# Altium PCB M5_CORE2_re.PcbDoc (part 1 of 3) (continued)
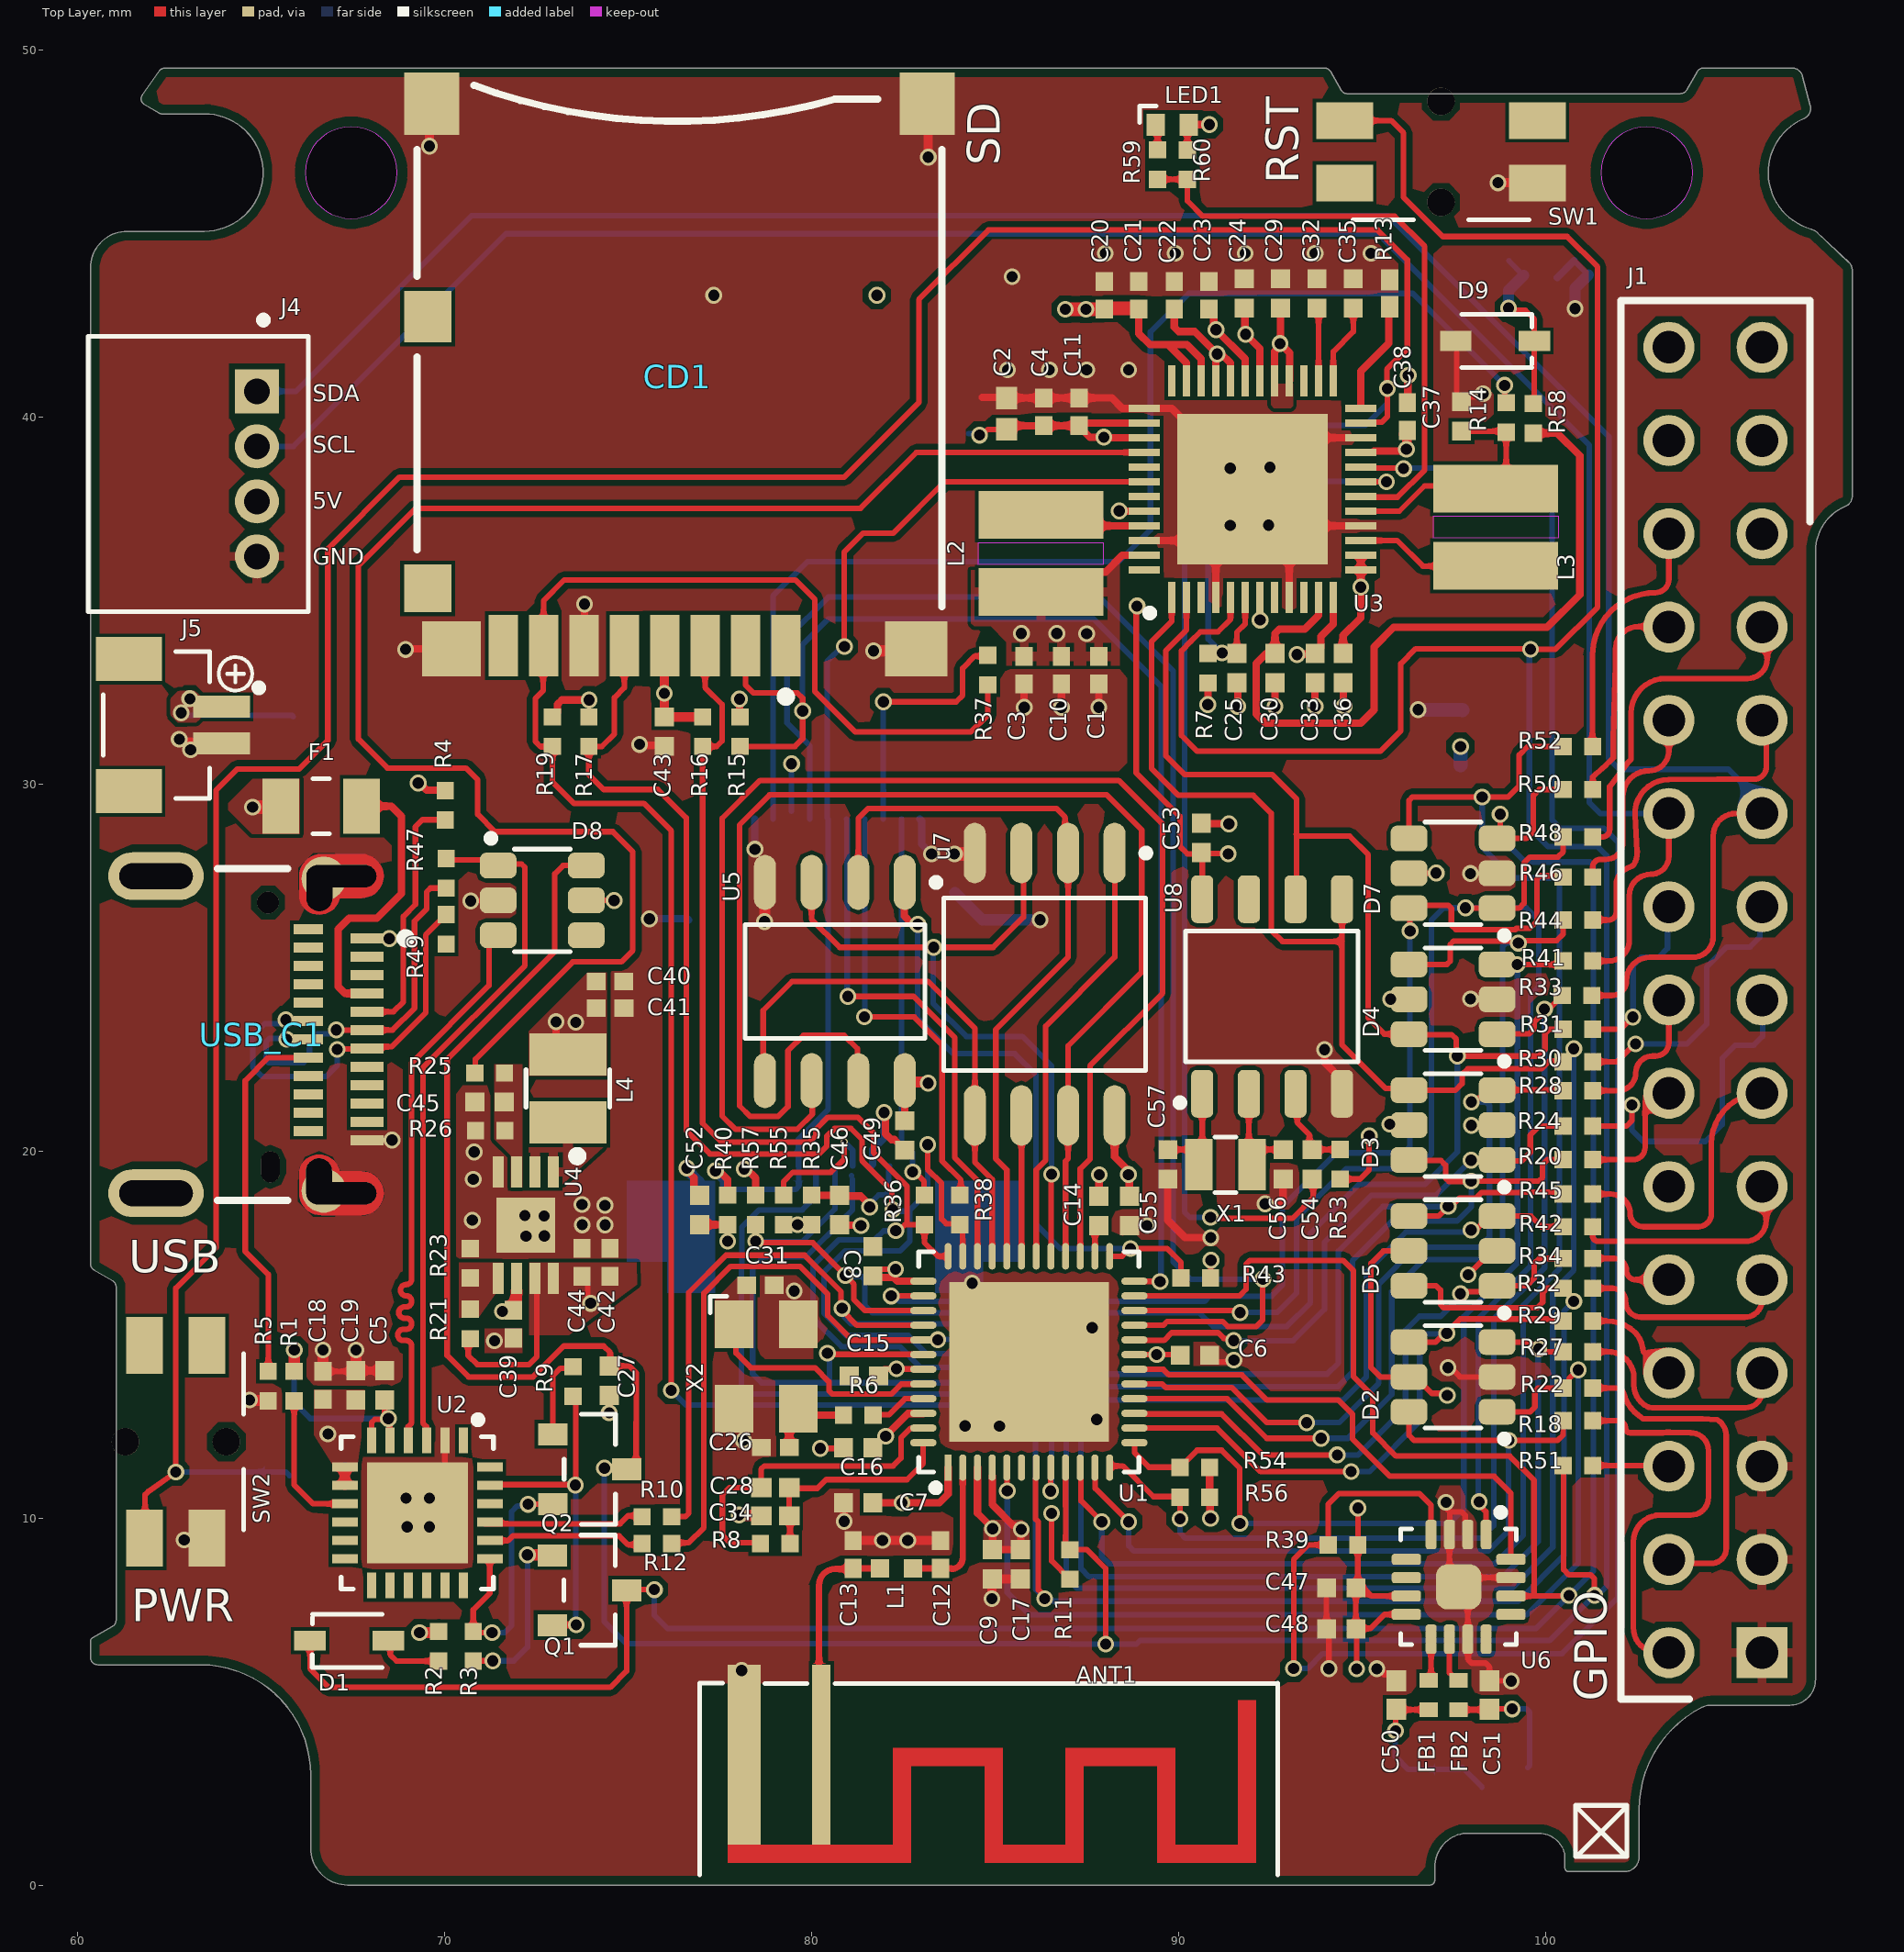
[diagram p0: Top Layer view]
## Design rules (kind name [scope] priority, off if disabled: settings)
BoardOutlineClearance [All] p1: gap=0.254 ignorepadtopadclearanceinfootprint=FALSE
Clearance [All] p1: gap=0.152 ignorepadtopadclearanceinfootprint=TRUE except(0: Arc-Arc Arc-Region Arc-Hole Track-Fill Track-Region Track-Hole SMDPad-Fill SMDPad-Region SMDPad-Hole THPad-Fill THPad-Region THPad-Hole Via-Region Via-Hole Fill-Region Fill-Hole Poly-Region Poly-Hole Region-Region Region-Text Region-Hole Text-Hole; 0.076: Arc-Via Track-Via SMDPad-Via THPad-Via Via-Via; 0.102: SMDPad-Poly Poly-Poly)
ComponentClearance [All] p1: gap=0.127 collisioncheckmode=3 verticalgap=0.127 showdistances=FALSE
DiffPairsRouting [InDifferentialPairClass('All Differential Pairs')] p1: maxlimit=0.152 minlimit=0.152 mostfreqgap=0.152 toplayer_minwidth=0.152 toplayer_maxwidth=0.152 toplayer_prefwidth=0.152 midlayer1_minwidth=0.152 midlayer1_maxwidth=0.152 midlayer1_prefwidth=0.152 midlayer2_minwidth=0.152 midlayer2_maxwidth=0.152 midlayer2_prefwidth=0.152 bottomlayer_minwidth=0.152 bottomlayer_maxwidth=0.152 bottomlayer_prefwidth=0.152 maxuncoupledlength=12.7
HoleToHoleClearance [All] p1: gap=0.152 allowstackedmicrovias=TRUE
MatchedLengths [All] p1: tolerance=12.7 checknetsindiffpair=TRUE checkdiffpairvsdiffpair=FALSE checkxsignals=FALSE checkothers=FALSE usedelayunits=TRUE delaytolerance=15.000000
MinimumSolderMaskSliver [All] p1: minsoldermaskwidth=0
PlaneClearance [All] p1: clearance=0
PlaneConnect [All] p1: planeconnectstyle=Direct reliefexpansion=0.508 reliefentries=4 reliefconductorwidth=0.254 reliefairgap=0.254
PolygonConnect [All] p1: thpad.connectstyle=Relief thpad.reliefconductorwidth=0.254 thpad.reliefentries=4 thpad.polygonreliefangle="90 Angle" thpad.airgapwidth=0.127 smdpad.connectstyle=Direct smdpad.reliefconductorwidth=0.254 smdpad.reliefentries=4 smdpad.polygonreliefangle="90 Angle" smdpad.airgapwidth=0.102 via.connectstyle=Direct via.reliefconductorwidth=0.254 via.reliefentries=4 via.polygonreliefangle="90 Angle" via.airgapwidth=0.127
RoomDefinition M5_CORE2_re [InComponentClass('M5_CORE2_re')] p1: confinementstyle=ConfineOut formatcopy=TRUE lockcomponents=FALSE outline 138.049,0 185.674,0 185.674,53.975 138.049,53.975
RoutingVias [All] p1: holewidth=0.254 width=0.381 viastyle="Through Hole" minholewidth=0.076 minwidth=0.127 maxholewidth=0.762 maxwidth=1.27
SilkToSilkClearance [All] p1: silktosilkclearance=0
SilkToSolderMaskClearance [IsPad] p1: minsilkscreentomaskgap=0 clearancetoexposedcopper=TRUE
SolderMaskExpansion [All] p1: expansion=0 istentingtop=FALSE
Width [All] p1: maxlimit=0.381 minlimit=0.127 preferedwidth=0.152 minimp=50.000000 maximp=50.000000 favimp=50.000000
22 further rules are at their usual default settings.

## Classes and differential pairs
differential pair CP_D: +CP_D_P -CP_D_N
differential pair USB: +USB_P -USB_N

## Components (designator, comment, footprint, x,y, rotation, side; value= is the part's Value field where it differs from the comment)
ANT1 "2.4GHz_PCB-Antenna" 2.4GHZ_PCB-Antenna 77.724,6 r0 top
BT1 "MS621FE-FL11E" SEIK-MS621FE-FL11E-2_V 92.939,31.254 r0 bottom
C1 "226/6.3V" FP-CL05A226MQ5N6J8-IPC_C 87.832,33.095 r90 top value=22uF
C2 "475/6.3V" FP-GRM155-0_1-IPC_B#1 85.319,40.081 r90 top
C3 "226/6.3V" FP-CL05A226MQ5N6J8-IPC_C 85.8,33.095 r90 top value=22uF
C4 "226/6.3V" FP-CL05A226MQ5N6J8-IPC_C 86.335,40.132 r90 top value=22uF
C5 "106/6.3V" FP-GRM155-0_1-IPC_B#2 68.377,13.614 r90 top value=10uF
C6 "104/10V" FP-C0402-BB-MFG 90.453,14.434 r180 top value="0.10 μF"
C7 "105/6.3V" FP-C0402C105K9PACTU-MFG 81.28,10.414 r0 top
C8 "104/10V" FP-C0402-BB-MFG 81.68,16.993 r270 top value="0.10 μF"
C9 "106/6.3V" FP-GRM155-0_2-IPC_B 84.938,8.738 r270 top
C10 "226/6.3V" FP-CL05A226MQ5N6J8-IPC_C 86.816,33.095 r90 top value=22uF
C11 "226/6.3V" FP-CL05A226MQ5N6J8-IPC_C 87.3,40.132 r90 top value=22uF
C12 "RF_C 5.5Pf" FP-GJM155-0_05-IPC_C 83.521,9.003 r90 top
C13 "RF_C 5.5Pf" FP-GJM155-0_05-IPC_C 81.14,9.003 r90 top
C14 "105/6.3V" FP-C0402C105K9PACTU-MFG 87.833,18.364 r270 top
C15 "104/10V" FP-C0402-BB-MFG 81.432,13.868 r0 top value="0.10 μF"
C16 "104/10V" FP-C0402-BB-MFG 81.28,11.913 r0 top value="0.10 μF"
C17 "104/10V" FP-C0402-BB-MFG 85.7,8.738 r90 top value="0.10 μF"
C18 "226/6.3V" FP-CL05A226MQ5N6J8-IPC_C 66.7,13.614 r90 top value=22uF
C19 "104/10V" FP-C0402-BB-MFG 67.589,13.614 r90 top value="0.10 μF"
C20 "226/6.3V" FP-CL05A226MQ5N6J8-IPC_C 87.986,43.307 r90 top value=22uF
C21 "226/6.3V" FP-CL05A226MQ5N6J8-IPC_C 88.925,43.307 r90 top value=22uF
C22 "226/6.3V" FP-CL05A226MQ5N6J8-IPC_C 89.891,43.307 r90 top value=22uF
C23 "226/6.3V" FP-CL05A226MQ5N6J8-IPC_C 90.83,43.307 r90 top value=22uF
C24 "105/6.3V" FP-C0402C105K9PACTU-MFG 91.796,43.358 r270 top
C25 "105/6.3V" FP-C0402C105K9PACTU-MFG 91.592,33.147 r270 top
C26 "RF_C 5.5Pf" FP-GJM155-0_05-IPC_C 79.023,11.92 r180 top
C27 "105/6.3V" FP-C0402C105K9PACTU-MFG 74.498,13.741 r90 top
C28 "332/6.3V" CAPC1005X55X30LL05T10 79.023,10.827 r0 top
C29 "105/6.3V" FP-C0402C105K9PACTU-MFG 92.786,43.358 r270 top
C30 "475/6.3V" FP-GRM155-0_1-IPC_B#2 92.634,33.147 r90 top
C31 "RF_C 5.5Pf" FP-GJM155-0_05-IPC_C 78.616,16.339 r0 top
C32 "105/6.3V" FP-C0402C105K9PACTU-MFG 93.777,43.358 r90 top
C33 "475/6.3V" FP-GRM155-0_1-IPC_B#2 93.726,33.147 r90 top
C34 "103/6.3V" CAPC1005X55X30LL05T10 79.019,10.058 r0 top
C35 "105/6.3V" FP-C0402C105K9PACTU-MFG 94.767,43.358 r270 top
C36 "475/6.3V" FP-GRM155-0_1-IPC_B#2 94.488,33.147 r90 top
C37 "106/6.3V" FP-GRM155-0_1-IPC_B#2 97.714,40.005 r90 top value=10uF
C38 "226/6.3V" FP-CL05A226MQ5N6J8-IPC_C 96.241,40.005 r90 top value=22uF
C39 "226/6.3V" FP-CL05A226MQ5N6J8-IPC_C 71.885,15.28 r90 top value=22uF
C40 "226/6.3V" FP-CL05A226MQ5N6J8-IPC_C 74.514,24.608 r0 top value=22uF
C41 "226/6.3V" FP-CL05A226MQ5N6J8-IPC_C 74.518,23.884 r0 top value=22uF
C42 "226/6.3V" FP-CL05A226MQ5N6J8-IPC_C 74.514,16.963 r270 top value=22uF
C43 "104/10V" FP-C0402-BB-MFG 75.998,31.418 r270 top value="0.10 μF"
C44 "226/6.3V" FP-CL05A226MQ5N6J8-IPC_C 73.752,16.963 r90 top value=22uF
C45 "105/6.3V" FP-C0402C105K9PACTU-MFG 71.238,21.332 r0 top
C46 "475/6.3V" FP-GRM155-0_1-IPC_B#2 80.772,18.39 r270 top
C47 "106/6.3V" FP-GRM155-0_1-IPC_B#2 94.438,8.097 r0 top value=10uF
C48 "104/10V" FP-C0402-BB-MFG 94.438,6.979 r0 top value="0.10 μF"
C49 "104/10V" FP-C0402-BB-MFG 82.55,20.422 r270 top value="0.10 μF"
C50 "220/10v" CAPC1005X56X25LL10T15 95.936,5.176 r90 top
C51 "220/10v" CAPC1005X56X25LL10T15 98.476,5.176 r270 top
C52 "104/10V" FP-C0402-BB-MFG 76.962,18.39 r270 top value="0.10 μF"
C53 "104/10V" FP-C0402-BB-MFG 90.627,28.524 r270 top value="0.10 μF"
C54 "106/6.3V" FP-GRM155-0_1-IPC_B#2 93.65,19.634 r90 top value=10uF
C55 "104/10V" FP-C0402-BB-MFG 88.671,18.364 r270 top value="0.10 μF"
C56 "6pf" FP-CGA2B-IPC_A 92.862,19.634 r270 top
C57 "6pf" FP-CGA2B-IPC_A 89.713,19.634 r270 top
CD1 "502774-0891" MOLX-502774-0891_V 76.405,41.146 r180 top locked
D1 "4148" FP-SOD323-MFG 67.412,6.655 r0 top
D2 "SRV05-4" FP-CDSOT23-SRV05-4-MFG 97.485,13.843 r180 top
D3 "SRV05-4" FP-CDSOT23-SRV05-4-MFG 97.485,20.701 r180 top
D4 "SRV05-4" FP-CDSOT23-SRV05-4-MFG 97.485,24.13 r180 top
D5 "SRV05-4" FP-CDSOT23-SRV05-4-MFG 97.485,17.272 r180 top
D7 "SRV05-4" FP-CDSOT23-SRV05-4-MFG 97.485,27.559 r180 top
D8 "SRV05-4" FP-CDSOT23-SRV05-4-MFG 72.669,26.822 r0 top
D9 "4148" FP-SOD323-MFG 98.628,42.062 r180 top
F1 "1A/6V" FP-0805L-MFG 66.65,29.388 r0 top value=0.15-0.85Ω
FB1 "BLM15AG601SN1D" FP-BLM15-0_05-MFG 96.825,5.176 r270 top
FB2 "BLM15AG601SN1D" FP-BLM15-0_05-MFG 97.638,5.176 r270 top
J1 "Ext-GPIO" FP-6-534206-5-MFG 104.634,24.11 r90 top
J2 "687110149022" 687110149022 80.707,25.689 r180 bottom
J3 "CTP_2.0Inch" MOLX-52745-0897 80.378,18.76 r180 bottom
J4 "S4B-ZR(LF)(SN)" FP-S4B-ZR_LF_SN-MFG 63.297,38.441 r270 top locked
J5 "BM02B-SRSS-TBT(LF)(SN)" FP-BM02B-SRSS-TBT_LF_SN-MFG 62.154,31.598 r270 top
L1 "RF_L 1.8nH" WE-TCI_0402 82.327,8.622 r180 top
L2 "2.2uH 3015" WE-MAPI_3015 86.258,36.271 r270 top
L3 "2.2uH 3015" WE-MAPI_3015 98.652,36.989 r270 top
L4 "2.2UH" FP-LQM2HPN_G0-IPC_C 73.371,21.698 r270 top
LED1 "LED_G" FP-SML-P1-MFG 89.84,47.955 r0 top
p1 "Speaker" "2pin SMD pads"#1 97.739,3.2 r0 bottom
p2 "VIB_MOTOR_PAD" "2pin SMD pads"#2 99.009,44.247 r0 bottom
Q1 "SS8050" FP-SS8050-G-MFG 73.957,8.031 r0 top
Q2 "SS8050" FP-SS8050-G-MFG 73.965,11.328 r0 top
R1 "20K/1%" FP-ERJ2RK-IPC_C 65.913,13.589 r270 top
R2 "20K/1%" FP-ERJ2RK-IPC_C 69.85,6.502 r270 top
R3 "20K/1%" FP-ERJ2RK-IPC_C 70.79,6.502 r270 top
R4 "47R/1%" FP-ERJ2RK-IPC_C 70.028,29.413 r90 top
R5 "47R/1%" FP-ERJ2RK-IPC_C 65.202,13.589 r270 top
R6 "51R/1%" FP-CR0402-IPC_A 81.28,12.802 r0 top
R7 "20K/1%" FP-ERJ2RK-IPC_C 90.805,33.147 r90 top
R8 "20K/1%" FP-ERJ2RK-IPC_C 79.019,9.296 r0 top
R9 "20K/1%" FP-ERJ2RK-IPC_C 73.508,13.716 r270 top
R10 "47R/1%" FP-ERJ2RK-IPC_C 75.794,10.033 r0 top
R11 "20K/1%" FP-ERJ2RK-IPC_C 87.048,8.732 r90 top
R12 "47R/1%" FP-ERJ2RK-IPC_C 75.794,9.296 r0 top
R13 "200K/1%" FP-RMCF0402-IPC_C 95.756,43.359 r90 top
R14 "20K/1%" FP-ERJ2RK-IPC_C 98.933,39.98 r90 top
R15 "20K/1%" FP-ERJ2RK-IPC_C 78.056,31.418 r90 top
R16 "20K/1%" FP-ERJ2RK-IPC_C 77.04,31.418 r90 top
R17 "20K/1%" FP-ERJ2RK-IPC_C 73.941,31.418 r90 top
R18 "47R/1%" FP-ERJ2RK-IPC_C 100.889,12.649 r180 top
R19 "20K/1%" FP-ERJ2RK-IPC_C 72.95,31.418 r90 top
R20 "47R/1%" FP-ERJ2RK-IPC_C 100.889,19.761 r180 top
R21 "47R/1%" FP-ERJ2RK-IPC_C 70.704,15.286 r90 top
R22 "47R/1%" FP-ERJ2RK-IPC_C 100.889,13.538 r180 top
R23 "47R/1%" FP-ERJ2RK-IPC_C 70.704,16.937 r90 top
R24 "47R/1%" FP-ERJ2RK-IPC_C 100.889,20.676 r180 top
R25 "47R/1%" FP-ERJ2RK-IPC_C 71.238,22.119 r0 top
R26 "20K/1%" FP-ERJ2RK-IPC_C 71.253,20.551 r180 top
R27 "47R/1%" FP-ERJ2RK-IPC_C 100.889,14.529 r180 top
R28 "47R/1%" FP-ERJ2RK-IPC_C 100.889,21.641 r180 top
R29 "47R/1%" FP-ERJ2RK-IPC_C 100.889,15.367 r180 top
R30 "47R/1%" FP-ERJ2RK-IPC_C 100.889,22.428 r180 top
R31 "47R/1%" FP-ERJ2RK-IPC_C 100.889,23.317 r180 top
R32 "47R/1%" FP-ERJ2RK-IPC_C 100.889,16.256 r180 top
R33 "47R/1%" FP-ERJ2RK-IPC_C 100.863,24.232 r180 top
R34 "47R/1%" FP-ERJ2RK-IPC_C 100.889,17.069 r180 top
R35 "20K/1%" FP-ERJ2RK-IPC_C 80.01,18.39 r270 top
R36 "47R/1%" FP-ERJ2RK-IPC_C 83.083,18.39 r270 top
R37 "47R/1%" FP-ERJ2RK-IPC_C 84.811,33.096 r270 top
R38 "47R/1%" FP-ERJ2RK-IPC_C 84.049,18.39 r270 top
R39 "47R/1%" FP-ERJ2RK-IPC_C 94.489,9.265 r180 top
R40 "47R/1%" FP-ERJ2RK-IPC_C 77.724,18.39 r90 top
R41 "47R/1%" FP-ERJ2RK-IPC_C 100.889,25.171 r180 top
R42 "47R/1%" FP-ERJ2RK-IPC_C 100.889,17.932 r180 top
R43 "47R/1%" FP-ERJ2RK-IPC_C 90.475,16.535 r180 top
R44 "47R/1%" FP-ERJ2RK-IPC_C 100.889,26.289 r180 top
R45 "47R/1%" FP-ERJ2RK-IPC_C 100.889,18.821 r180 top
R46 "47R/1%" FP-ERJ2RK-IPC_C 100.889,27.457 r180 top
R47 "47R/1%" FP-ERJ2RK-IPC_C 70.053,27.559 r90 top
R48 "47R/1%" FP-ERJ2RK-IPC_C 100.889,28.55 r180 top
R49 "47R/1%" FP-ERJ2RK-IPC_C 70.053,26.035 r270 top
R50 "47R/1%" FP-ERJ2RK-IPC_C 100.889,29.845 r180 top
R51 "47R/1%" FP-ERJ2RK-IPC_C 100.889,11.43 r180 top
R52 "47R/1%" FP-ERJ2RK-IPC_C 100.889,31.013 r180 top
R53 "20K/1%" FP-ERJ2RK-IPC_C 94.412,19.634 r270 top
R54 "47R/1%" FP-ERJ2RK-IPC_C 90.449,11.379 r180 top
R55 "47R/1%" FP-ERJ2RK-IPC_C 79.248,18.39 r90 top
R56 "47R/1%" FP-ERJ2RK-IPC_C 90.449,10.566 r180 top
R57 "47R/1%" FP-ERJ2RK-IPC_C 78.486,18.39 r270 top
R58 "22R" RESC1005X40X25LL05T10 99.67,39.954 r90 top
R59 "47R/1%" FP-ERJ2RK-IPC_C 89.433,46.867 r90 top
R60 "47R/1%" FP-ERJ2RK-IPC_C 90.246,46.863 r90 top
SW1 "EVQ-PUC02K" FP-EVQ-PUC02K-MFG 97.155,47.215 r180 top
SW2 "EVQ-PUC02K" FP-EVQ-PUC02K-MFG 62.687,12.074 r270 top
TP1 "TPAD6R" TP06R 77.343,43.307 r90 bottom
TP2 "TPAD6R" TP06R 81.788,43.307 r90 bottom
TP3 "TPAD6R" TP06R 72.95,31.82 r90 bottom
TP4 "TPAD6R" TP06R 84.56,39.519 r90 bottom
TP5 "TPAD6R" TP06R 92.77,41.992 r90 bottom
TP6 "TPAD6R" TP06R 65.888,31.826 r90 bottom
TP7 "TPAD6R" TP06R 65.684,11.252 r90 bottom
U1 "ESP32-D0WDQ6" FP-ESP32-D0WDQ6-IPC_C 85.928,14.249 r90 top
U2 "CP2104-F03-GMR" FP-CP2104-F03-GMR-MFG 69.266,10.135 r270 top
U3 "AXP192" AXP192 92.023,38.025 r90 top
U4 "SY7088" SY7088 72.224,17.981 r270 top
U5 "ESP-PSRAM64H" ESP-PSRAM64H 80.645,24.613 r270 top
U6 "MAX98357AETE+T" FP-T1633-4-MFG 97.638,8.122 r270 top
u7 "SPI_Flash" SPI_Flash_MT25QL128ABA1ESE-0SIT 86.36,24.536 r270 top
U8 "PCF8563" FP-SOT96-1-MFG 92.558,24.206 r90 top
USB_C1 "TypeC_cntr" TypeC 63.932,23.165 r270 top
X1 "32.768K" FP-ABS06-MFG 91.288,19.626 r0 top
X2 "40Mhz" FP-ABM8-MFG 78.769,14.129 r270 top

## Footprints (in the part's own frame and the unit in brackets; to place one, negate y for a bottom-side part, rotate by r counter-clockwise, add the part's x,y. Pads: shape width x height; smd on the part's side, far side on the other; paste and mask are expansions set on the pad)
2.4GHZ_PCB-Antenna [mm] "2.4GHZ_PCB-Antenna"
  rect 0.5x4.9 smd mask+0.102: 1(2.55,-2.45)
  rect 0.9x4.9 smd mask+0.102: 2(0.45,-2.45)
  Top Layer region: 5,-2.76 7,-2.76 7,-2.26 5,-2.26
  Top Layer region: 4.5,-4.9 5,-4.9 5,-2.26 4.5,-2.26
  Top Layer region: 7,-4.9 7.5,-4.9 7.5,-2.26 7,-2.26
  Top Layer region: 9.2,-4.9 9.7,-4.9 9.7,-2.26 9.2,-2.26
  Top Layer region: 9.7,-2.76 11.7,-2.76 11.7,-2.26 9.7,-2.26
  Top Layer region: 11.7,-4.9 12.2,-4.9 12.2,-2.26 11.7,-2.26
  Top Layer region: 13.9,-4.9 14.4,-4.9 14.4,-0.96 13.9,-0.96
  Top Layer region: 11.7,-5.4 14.4,-5.4 14.4,-4.9 11.7,-4.9
  Top Layer region: 7,-5.4 9.7,-5.4 9.7,-4.9 7,-4.9
  Top Layer region: 0,-5.4 5,-5.4 5,-4.9 0,-4.9
  Multi-Layer pour cut-out: -0.5,-6 -0.5,-0.5 14.7,-0.5 14.7,-6 -0.5,-6 -0.5,-0.5 14.7,-0.5 14.7,-6
  Multi-Layer pour cut-out: -0.762,-6 -0.762,-0.5 14.986,-0.5 14.986,-6
  silkscreen extent -0.76,-5.72 14.99,-0.5
"2pin SMD pads"#1 [mm] "generic pads"
  rect 1.5x2 smd: 1(0,0) 2(1.778,0)
  silkscreen extent -1.02,-1.27 2.79,1.27
"2pin SMD pads"#2 [mm] "generic pads"
  rect 1.5x2 smd mask+0: 1(0,0)
  rect 1.5x2 smd: 2(1.778,0)
  silkscreen extent -1.02,-1.27 2.79,1.27
687110149022 [mm] "0.50mm SMT ZIF Horizontal Hinge Type Bottom Contact, 10p"
  rect 0.3x1.3 smd: 1(-2.25,3.35) 2(-1.75,3.35) 3(-1.25,3.35) 4(-0.75,3.35) 5(-0.25,3.35) 6(0.25,3.35) 7(0.75,3.35) 8(1.25,3.35) 9(1.75,3.35) 10(2.25,3.35)
  rect 2x1.8 smd: M1(-4.05,0.6) M2(4.05,0.6)
  silkscreen extent -4.62,-2.98 4.63,3.67, body extent -4.55,-2.9 4.55,3.6, height 2.25
AXP192 [mm]
  rect 0.85x0.2 smd: 1(-2.95,2.2) 2(-2.95,1.8) 3(-2.95,1.4) 4(-2.95,1) 5(-2.95,0.6) 6(-2.95,0.2) 7(-2.95,-0.2) 8(-2.95,-0.6) 9(-2.95,-1) 10(-2.95,-1.4) 11(-2.95,-1.8) 12(-2.95,-2.2) 25(2.95,-2.2) 26(2.95,-1.8) 27(2.95,-1.4) 28(2.95,-1) 29(2.95,-0.6) 30(2.95,-0.2) 31(2.95,0.2) 32(2.95,0.6) 33(2.95,1) 34(2.95,1.4) 35(2.95,1.8) 36(2.95,2.2)
  rect 0.2x0.85 smd: 13(-2.2,-2.95) 14(-1.8,-2.95) 15(-1.4,-2.95) 16(-1,-2.95) 17(-0.6,-2.95) 18(-0.2,-2.95) 19(0.2,-2.95) 20(0.6,-2.95) 21(1,-2.95) 22(1.4,-2.95) 23(1.8,-2.95) 24(2.2,-2.95) 37(2.2,2.95) 38(1.8,2.95) 39(1.4,2.95) 40(1,2.95) 41(0.6,2.95) 42(0.2,2.95) 43(-0.2,2.95) 44(-0.6,2.95) 45(-1,2.95) 46(-1.4,2.95) 47(-1.8,2.95) 48(-2.2,2.95)
  rect 4.1x4.1 smd: 49(0,0)
  silkscreen extent -3.47,2.7 -3.28,2.9, body extent -3.05,-3.05 3.05,3.05, height 0.92
CAPC1005X55X30LL05T10 [mm]
  rect 0.56x0.52 smd: 1(-0.38,0) 2(0.38,0)
  body extent -0.53,-0.28 0.53,0.28, height 0.55
CAPC1005X56X25LL10T15 [mm]
  rect 0.58x0.54 smd: 1(-0.39,0) 2(0.39,0)
  body extent -0.55,-0.3 0.55,0.3, height 0.56
ESP-PSRAM64H [mm] "64 Mbit serial pseudo SRAM"
  oval 1.5x0.6 smd: 1(-2.7,1.905) 2(-2.7,0.635) 3(-2.7,-0.635) 4(-2.7,-1.905) 5(2.7,-1.905) 6(2.7,-0.635) 7(2.7,0.635) 8(2.7,1.905)
  silkscreen extent -2.78,-2.45 1.55,2.83, body extent -3,-2.45 3,2.45, height 1.75
FP-6-534206-5-MFG [mm]
  rect 1.39x1.39 hole 0.89 paste-2539.97 mask+0: 1(-17.78,-1.27)
  round 1.39 hole 0.89 paste-2539.97 mask+0: 2(-17.78,1.27) 3(-15.24,-1.27) 4(-15.24,1.27) 5(-12.7,-1.27) 6(-12.7,1.27) 7(-10.16,-1.27) 8(-10.16,1.27) 9(-7.62,-1.27) 10(-7.62,1.27) 11(-5.08,-1.27) 12(-5.08,1.27) 13(-2.54,-1.27) 14(-2.54,1.27) 15(0,-1.27) 16(0,1.27) 17(2.54,-1.27) 18(2.54,1.27) 19(5.08,-1.27) 20(5.08,1.27) 21(7.62,-1.27) 22(7.62,1.27) 23(10.16,-1.27) 24(10.16,1.27) 25(12.7,-1.27) 26(12.7,1.27) 27(15.24,-1.27) 28(15.24,1.27) 29(17.78,-1.27) 30(17.78,1.27)
  silkscreen extent -19.05,-2.58 19.05,2.58, body extent -19.15,-2.68 19.15,2.68, height 0.25
FP-0805L-MFG [mm]
  rect 1x1.5 smd paste+0 mask+0: 1(-1.1,0) 2(1.1,0)
  silkscreen extent -0.23,-0.75 0.23,0.75, body extent -1.7,-0.85 1.7,0.85, height 0.25
FP-ABM8-MFG [mm]
  rect 1.3x1.05 smd paste+0 mask+0: 1(-1.15,-0.875) 2(1.15,-0.875) 3(1.15,0.875) 4(-1.15,0.875)
  silkscreen extent -1.9,-1.52 -1.45,-1.07, body extent -1.9,-1.5 1.9,1.5, height 0.25
FP-ABS06-MFG [mm]
  rect 0.75x1.4 smd paste+0 mask+0: 1(-0.725,0) 2(0.725,0)
  silkscreen extent -0.29,-0.76 0.29,0.75, body extent -1.2,-0.8 1.2,0.8, height 0.25
FP-BLM15-0_05-MFG [mm]
  rect 0.4x0.5 smd paste+0 mask+0: 1(-0.4,0) 2(0.4,0)
  body extent -0.7,-0.38 0.7,0.38, height 0.25
FP-BM02B-SRSS-TBT_LF_SN-MFG [mm]
  rect 0.6x1.55 smd paste+0 mask+0: 1(-0.5,1.775) 2(0.5,1.775)
  rect 1.2x1.8 smd paste+0 mask+0: 3(-1.8,-0.75) 4(1.8,-0.75)
  silkscreen extent -2,-1.45 2,2.87, body extent -2.5,-1.75 2.5,2.65, height 0.25
FP-C0402-BB-MFG [mm]
  rect 0.52x0.52 smd paste+0 mask+0: 1(-0.4,0) 2(0.4,0)
  body extent -0.8,-0.4 0.8,0.4, height 0.25
FP-C0402C105K9PACTU-MFG [mm]
  rect 0.52x0.52 smd paste+0 mask+0: 1(-0.4,0) 2(0.4,0)
  body extent -0.8,-0.4 0.8,0.4, height 0.25
FP-CDSOT23-SRV05-4-MFG [mm]
  rrect50% 1x0.7 smd paste+0 mask+0: 1(-1.2,0.95) 2(-1.2,0) 3(-1.2,-0.95) 4(1.2,-0.95) 5(1.2,0) 6(1.2,0.95)
  silkscreen extent -1.47,-1.4 0.76,1.77, body extent -1.8,-1.63 1.8,1.63, height 0.25
FP-CGA2B-IPC_A [mm]
  rect 0.52x0.52 smd paste+0 mask+0: 1(-0.4,0) 2(0.4,0)
  body extent -1.04,-0.54 1.04,0.54, height 0.25
FP-CL05A226MQ5N6J8-IPC_C [mm]
  rect 0.515x0.472 smd paste+0 mask+0: 1(-0.379,0) 2(0.379,0)
  body extent -0.74,-0.38 0.74,0.38, height 0.25
FP-CP2104-F03-GMR-MFG [mm]
  rect 0.7x0.25 smd paste+0 mask+0: 1(-1.975,1.25) 2(-1.975,0.75) 3(-1.975,0.25) 4(-1.975,-0.25) 5(-1.975,-0.75) 6(-1.975,-1.25) 13(1.975,-1.25) 14(1.975,-0.75) 15(1.975,-0.25) 16(1.975,0.25) 17(1.975,0.75) 18(1.975,1.25)
  rect 0.25x0.7 smd paste+0 mask+0: 7(-1.25,-1.975) 8(-0.75,-1.975) 9(-0.25,-1.975) 10(0.25,-1.975) 11(0.75,-1.975) 12(1.25,-1.975) 19(1.25,1.975) 20(0.75,1.975) 21(0.25,1.975) 22(-0.25,1.975) 23(-0.75,1.975) 24(-1.25,1.975)